# Altium PCB BA-77GHz-Radar_Frontend.PcbDoc (part 2 of 4) (continued)
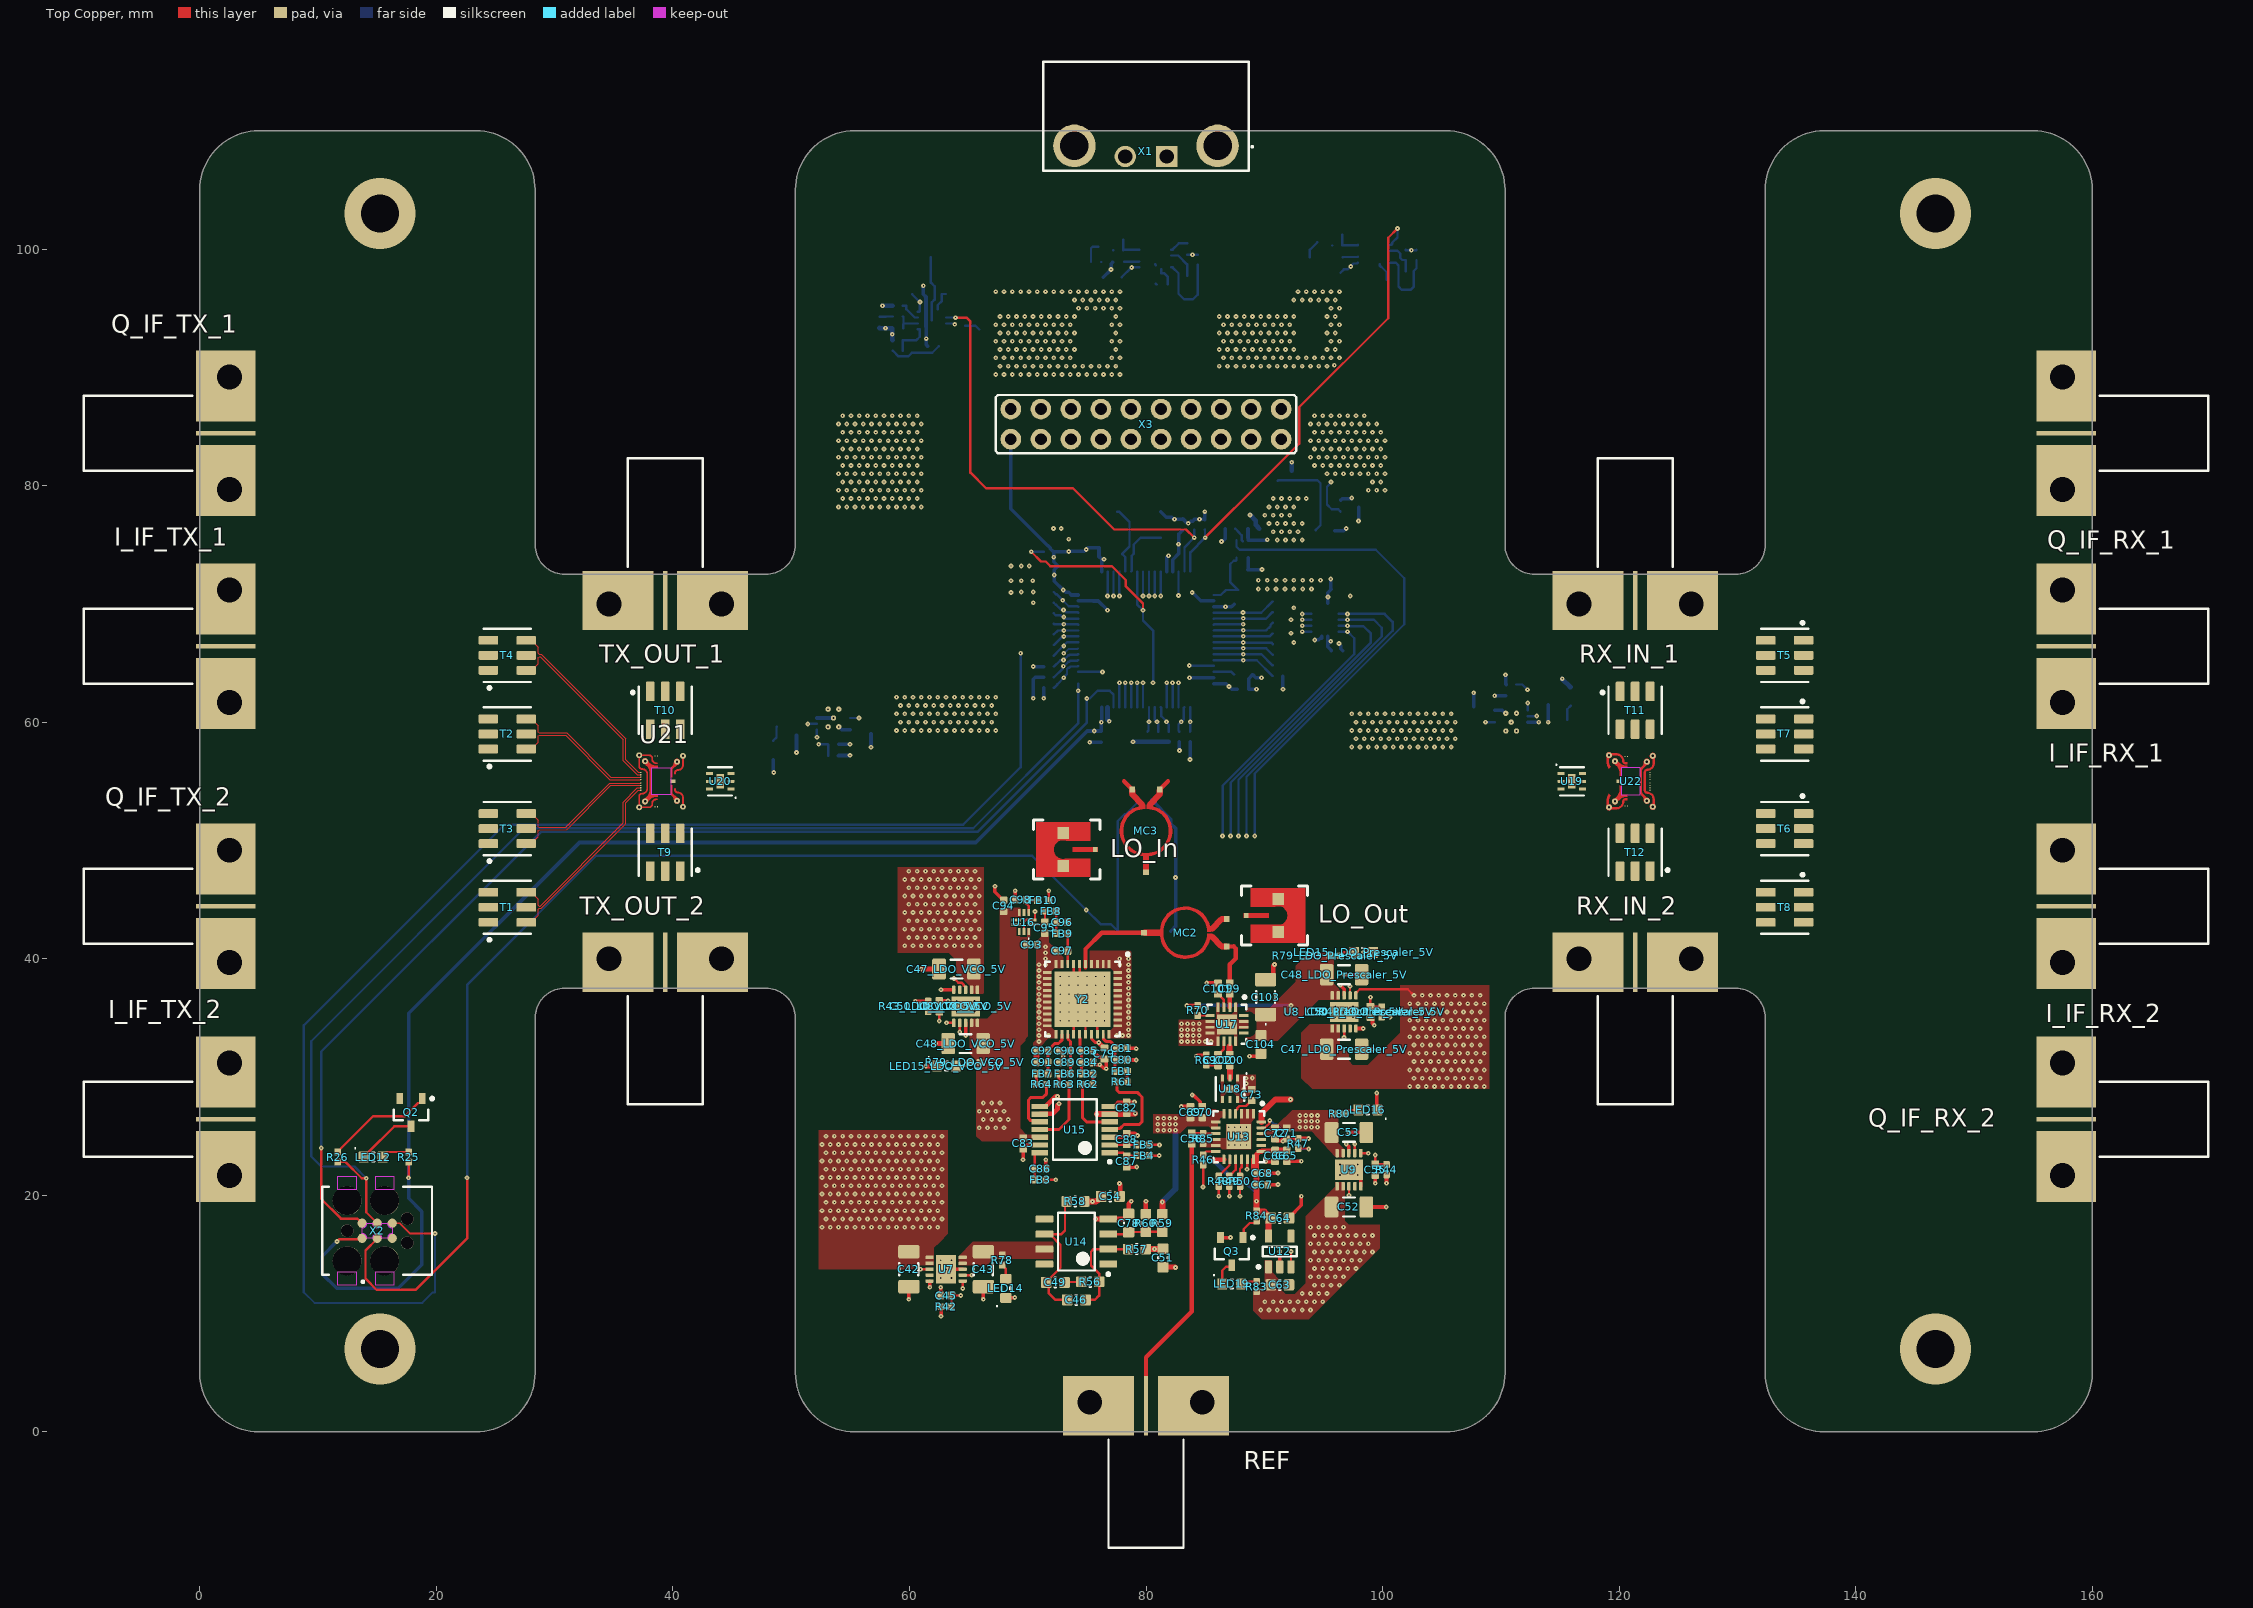
[diagram p0: Top Copper view]
## Part data (continued)

## Via types
v1: diameter 0.4, hole 0.1, Top Copper to Bot Copper, tented both sides, 1477 vias
v2: diameter 6, hole 3.2, Top Copper to Bot Copper, 4 vias

## Nets (pads, with @x,y where several pads share a name; then routed paths per layer and width w, separated by ;. In a path a pad name is that pad's centre, name@x,y a point inside that pad or via, vN(x,y) a via of type N, cw(c..) or ccw(c..) an arc to the next point about the centre after c; other vN are vias at no path point)
+1V8_ADF4169: C11.2 C13.2 C64.2 C65.2 C66.2 C67.2 C68.2 R84.1 U2.14 U3.6 U12.5 U13.13 U13.18 U13.19 | length 101.6
  Top Copper w0.4: v1(85.685,22.992) 86.547,22.992 U13.13@86.585,23.03 ; U13.18@89.085,23.03 89.085,22.155 C68.2@89.335,21.905 ; C68.2@89.335,21.88 89.335,23.405 89.635,23.705 U13.19@89.76,23.705 89.81,23.755 90.86,23.755 C66.2@90.91,23.805
  Top Copper w0.5: C68.2@89.335,21.88 C67.2@89.335,20.88 89.342,20.872 v1(89.342,19.494) 89.342,18.683 R84.1@89.35,18.675 89.35,18.65 89.375,18.625 90.01,18.625 90.535,18.1 C64.2@90.535,18.075 90.36,17.9 U12.5@90.36,16.55 ; C66.2@90.91,23.805 C65.2@91.91,23.805
  Signal Layer 2 w0.3: v1(89.342,19.494) 89.342,23.036 91.46,25.154 91.46,33.121 91.45,33.132 91.45,34.921 90.111,36.26 90.111,50.188 85.975,54.325 85.1,54.325 82.25,57.175 82.25,60.275 86.126,64.151 86.126,69.976 90.25,74.1 v1(90.25,75.422) 91.097,74.575 95.3,74.575 97.275,72.6 v1(97.275,70.675) 95.625,69.025 v1(95.625,66.834)
  Bot Copper w0.3: C13.2@88.625,76.35 88.625,75.575 88.65,75.55 U3.6@88.65,75.365 90.193,75.365 v1(90.25,75.422) ; U2.14@95.375,67.251 95.375,66.551 ; v1(95.625,66.834) 95.625,66.807 95.375,66.557 95.375,66.551 ; C11.2@95.675,66.051 95.675,66.076 95.375,66.376 95.375,66.551
  Bot Copper w0.4: v1(85.685,22.992) 87.494,21.183 88.398,21.183 89.342,20.238 v1(89.342,19.494)
+3V3_ADF4169: C53.2 C69.2 C70.2 C71.2 C72.2 R59.2 R80.1 U9.9 U9.10 U13.6 U13.7 U13.8 U13.22 | length 7.6
  Top Copper w0.5: R59.2@81.385,18.403 v1(81.385,19.428)
  Bot Copper w0.5: v1(81.385,19.428) 82.5,20.543 v1(82.5,25.5)
  other v1: 81,25.5 81.5,25.5 82,25.5 93,25.75 93.5,25.75 94,25.75 94.5,25.75 81,26 81.5,26 82,26 82.5,26 93,26.25 93.5,26.25 94,26.25 94.5,26.25 81,26.5 81.5,26.5 82,26.5 82.5,26.5 93,26.75 93.5,26.75 94,26.75 94.5,26.75
+3V3_RX: C58_LDO_RX_3V3.2 R81_LDO_RX_3V3.1 U10_LDO_RX_3V3.9 U10_LDO_RX_3V3.10 U22.18
+3V3_STM32: C1.2 C2.2 C3.2 C4.2 C5.2 C6.2 C8.2 C9.2 C10.2 C12.2 C62.2 R23.1 R25.2 R66.2 R82.1 U1.1 U1.13 U1.19 U1.32 U1.48 U1.64 U2.1 U2.8 U3.1 U11.5 X2.1 X3.1 | length 145.7
  Top Copper w0.2: v1(11.593,16.087) 11.773,16.267 13.632,16.267 X2.1@13.73,16.365 ; v1(17.655,21.471) R25.2@17.655,22.809
  Bot Copper w0.3: v1(11.593,16.087) 10.365,14.858 10.365,13.349 11.582,12.132 16.782,12.132 18.775,14.125 18.775,18.625 17.655,19.745 v1(17.655,21.471) 17.655,35.38 32.1,49.825 65.598,49.825 75.023,59.25 v1(75.624,59.25) C2.2@76.225,59.25 76.225,60.014 76.25,60.039 U1.48@76.25,61.262 ; X3.1@68.57,83.925 68.57,78.051 71.696,74.925 71.713,74.925 71.9,74.738 71.9,74.675 72.175,74.4 R66.2@72.2,74.4 ; C3.2@72.25,71.925 v1(73,71.175) 73.206,70.969 73.456,70.969 73.674,70.75 U1.64@74.262,70.75 ; C3.2@72.25,71.95 v1(72.25,72.45) 72.25,72.875 72.55,73.175 C6.2@72.55,73.2 72.55,73.225 72.2,73.575 v1(72.2,73.95) R66.2@72.2,74.4 ; C9.2@74.75,74.447 74.738,74.435 73.487,74.435 73.463,74.412 72.212,74.412 R66.2@72.2,74.4 ; C9.2@74.775,74.447 C9.2@74.934,74.605 ; v1(74.95,74.589) C9.2@74.934,74.605 ; C4.2@76,74.75 75.079,74.75 C9.2@74.934,74.605 ; C4.2@76.025,74.75 76.025,74 v1@76.25,73.775 ; U1.1@76.25,72.738 v1@76.25,73.775 ; v1(76.45,73.775) v1@76.25,73.775 ; U1.13@82.25,72.738 82.25,73.724 82.75,74.224 v1@82.75,75.174 ; v1(82.75,75.05) v1@82.75,75.174 ; C8.2@83.1,76.225 83.075,76.225 82.925,76.075 82.925,76.05 82.75,75.875 v1@82.75,75.174 ; U1.32@85.738,63.25 86.775,63.25 87.25,62.775 C1.2@87.725,62.775 ; U1.19@85.738,69.75 87.225,69.75 C5.2@87.45,69.975 ; v1(86.375,75.275) 86.451,75.275 86.687,75.512 R23.1@86.687,76.35 ; U3.1@88.65,73.885 88.65,72.925 C12.2@88.625,72.9 v1(89.8,72.9) ; v1(94.275,66.951) 94.575,66.951 94.725,67.101 94.85,67.101 94.875,67.126 U2.1@94.875,67.251 ; U2.8@95.375,70.051 95.375,70.951 95.65,71.226 C10.2@95.65,71.251 95.638,71.264 95.638,72.087 v1(95.625,72.099)
  other v1: 76.225,59.987 87.013,63.013 86.725,69.75 95.391,70.589 73.475,74.423 91.1,75.4 91.8,75.4 92.5,75.4 93.2,75.4 90.75,76.1 91.45,76.1 92.15,76.1 92.85,76.1 90.4,76.8 91.1,76.8 91.8,76.8 92.5,76.8 93.2,76.8 90.05,77.5 90.75,77.5 91.45,77.5 92.15,77.5 90.4,78.2 91.1,78.2 91.8,78.2 92.5,78.2 90.75,78.9 91.45,78.9 92.15,78.9 92.85,78.9 93.55,78.9
+3V3_TX: C58_LDO_TX_3V3.2 R81_LDO_TX_3V3.1 U10_LDO_TX_3V3.9 U10_LDO_TX_3V3.10 U21.18
+4V_BUCK: C30.2 C31.2 C41.2 C52.2 C57_LDO_RX_3V3.2 C57_LDO_TX_3V3.2 C61.2 C63.2 L2.2 R14.1 R33.2 R83.2 U9.1 U9.2 U9.6 U10_LDO_RX_3V3.1 U10_LDO_RX_3V3.2 U10_LDO_RX_3V3.6 U10_LDO_TX_3V3.1 U10_LDO_TX_3V3.2 U10_LDO_TX_3V3.6 U11.1 U11.3 U12.1 | length 29
  Top Copper w0.2: U9.6@98.159,23.559 v1(98.784,23.559)
  Signal Layer 2 w0.2: v1(52.175,58.725) 52.229,58.725 52.55,59.046 58.592,59.046 58.846,59.3 v1(58.9,59.3) ; v1(98.784,23.559) 98.784,16.966 v1(99.15,16.6) ; v1(105.8,57.9) 111.125,57.9 112.275,59.05 v1(112.275,61.625)
  Bot Copper w0.2: v1(52.175,58.725) U10_LDO_TX_3V3.6@52.175,59.35 ; R14.1@76.2,98.9 R14.1@76.225,98.9 ; R33.2@77.225,99.9 R33.2@77.25,99.9 ; v1(95.65,80.3) 95.65,80.246 95.3,79.896 95.3,78.4 95.7,78 96.25,78 U11.3@96.45,77.8 ; U10_LDO_RX_3V3.6@112.275,61 v1(112.275,61.625)
  other v1: 89.7,10.3 90.4,10.3 91.1,10.3 91.8,10.3 92.5,10.3 93.2,10.3 93.9,10.3 90.05,11 90.75,11 91.45,11 92.15,11 92.85,11 93.55,11 94.25,11 94.95,11 93.2,11.7 93.9,11.7 94.6,11.7 95.3,11.7 94.25,12.4 94.95,12.4 95.65,12.4 96.35,12.4 93.9,13.1 94.6,13.1 95.3,13.1 96,13.1 96.7,13.1 94.25,13.8 94.95,13.8 95.65,13.8 96.35,13.8 97.05,13.8 97.75,13.8 93.9,14.5 94.6,14.5 95.3,14.5 96,14.5 96.7,14.5 97.4,14.5 98.1,14.5 94.25,15.2 94.95,15.2 95.65,15.2 96.35,15.2 97.05,15.2 97.75,15.2 98.45,15.2 99.15,15.2 93.9,15.9 94.6,15.9 95.3,15.9 96,15.9 96.7,15.9 97.4,15.9 98.1,15.9 98.8,15.9 94.25,16.6 94.95,16.6 95.65,16.6 96.35,16.6 97.05,16.6 97.75,16.6 98.45,16.6 93.9,17.3 94.6,17.3 95.3,17.3 96,17.3 96.7,17.3 97.4,57.9 98.1,57.9 98.8,57.9 99.5,57.9 100.2,57.9 100.9,57.9 101.6,57.9 102.3,57.9 103,57.9 103.7,57.9 104.4,57.9 105.1,57.9 97.75,58.6 98.45,58.6 99.15,58.6 99.85,58.6 100.55,58.6 101.25,58.6 101.95,58.6 102.65,58.6 103.35,58.6 104.05,58.6 104.75,58.6 105.45,58.6 106.15,58.6 59.6,59.3 60.3,59.3 61,59.3 61.7,59.3 62.4,59.3 63.1,59.3 63.8,59.3 64.5,59.3 65.2,59.3 65.9,59.3 66.6,59.3 67.3,59.3 97.4,59.3 98.1,59.3 98.8,59.3 99.5,59.3 100.2,59.3 100.9,59.3 101.6,59.3 102.3,59.3 103,59.3 103.7,59.3 104.4,59.3 105.1,59.3 105.8,59.3 59.25,60 59.95,60 60.65,60 61.35,60 62.05,60 62.75,60 63.45,60 64.15,60 64.85,60 65.55,60 66.25,60 66.95,60 97.75,60 98.45,60 99.15,60 99.85,60 100.55,60 101.25,60 101.95,60 102.65,60 103.35,60 104.05,60 104.75,60 105.45,60 106.15,60 58.9,60.7 59.6,60.7 60.3,60.7 61,60.7 61.7,60.7 62.4,60.7 63.1,60.7 63.8,60.7 64.5,60.7 65.2,60.7 65.9,60.7 66.6,60.7 67.3,60.7 97.4,60.7 98.1,60.7 98.8,60.7 99.5,60.7 100.2,60.7 100.9,60.7 101.6,60.7 102.3,60.7 103,60.7 103.7,60.7 104.4,60.7 105.1,60.7 105.8,60.7 59.25,61.4 59.95,61.4 60.65,61.4 61.35,61.4 62.05,61.4 62.75,61.4 63.45,61.4 64.15,61.4 64.85,61.4 65.55,61.4 66.25,61.4 66.95,61.4 58.9,62.1 59.6,62.1 60.3,62.1 61,62.1 61.7,62.1 62.4,62.1 63.1,62.1 63.8,62.1 64.5,62.1 65.2,62.1 65.9,62.1 66.6,62.1 67.3,62.1 98.8,79.6 99.5,79.6 100.2,79.6 99.15,80.3 99.85,80.3 95.3,81 96,81 96.7,81 97.4,81 98.1,81 98.8,81 99.5,81 100.2,81 94.25,81.7 94.95,81.7 95.65,81.7 96.35,81.7 97.05,81.7 97.75,81.7 98.45,81.7 99.15,81.7 99.85,81.7 93.9,82.4 94.6,82.4 95.3,82.4 96,82.4 96.7,82.4 97.4,82.4 98.1,82.4 98.8,82.4 99.5,82.4 100.2,82.4 94.25,83.1 94.95,83.1 95.65,83.1 96.35,83.1 97.05,83.1 97.75,83.1 98.45,83.1 99.15,83.1 99.85,83.1 93.9,83.8 94.6,83.8 95.3,83.8 96,83.8 96.7,83.8 97.4,83.8 98.1,83.8 98.8,83.8 99.5,83.8 100.2,83.8 94.25,84.5 94.95,84.5 95.65,84.5 96.35,84.5 97.05,84.5 97.75,84.5 98.45,84.5 99.15,84.5 99.85,84.5 93.9,85.2 94.6,85.2 95.3,85.2 96,85.2 96.7,85.2 97.4,85.2 98.1,85.2 98.8,85.2 99.5,85.2 94.25,85.9 94.95,85.9 95.65,85.9 96.35,85.9 97.05,85.9 97.75,85.9 98.45,85.9 67.3,89.4 68,89.4 68.7,89.4 69.4,89.4 70.1,89.4 70.8,89.4 71.5,89.4 72.2,89.4 72.9,89.4 73.6,89.4 74.3,89.4 75,89.4 75.7,89.4 76.4,89.4 77.1,89.4 77.8,89.4 67.65,90.1 68.35,90.1 69.05,90.1 69.75,90.1 70.45,90.1 71.15,90.1 71.85,90.1 72.55,90.1 73.25,90.1 73.95,90.1 74.65,90.1 75.35,90.1 76.05,90.1 76.75,90.1 77.45,90.1 67.3,90.8 68,90.8 68.7,90.8 69.4,90.8 70.1,90.8 70.8,90.8 71.5,90.8 72.2,90.8 72.9,90.8 73.6,90.8 77.1,90.8 77.8,90.8 67.65,91.5 68.35,91.5 69.05,91.5 69.75,91.5 70.45,91.5 71.15,91.5 71.85,91.5 72.55,91.5 73.25,91.5 73.95,91.5 77.45,91.5 67.3,92.2 68,92.2 68.7,92.2 69.4,92.2 70.1,92.2 70.8,92.2 71.5,92.2 72.2,92.2 72.9,92.2 73.6,92.2 77.1,92.2 77.8,92.2 67.65,92.9 68.35,92.9 69.05,92.9 69.75,92.9 70.45,92.9 71.15,92.9 71.85,92.9 72.55,92.9 73.25,92.9 73.95,92.9 77.45,92.9 67.3,93.6 68,93.6 68.7,93.6 69.4,93.6 70.1,93.6 70.8,93.6 71.5,93.6 72.2,93.6 72.9,93.6 73.6,93.6 77.1,93.6 77.8,93.6 67.65,94.3 68.35,94.3 69.05,94.3 69.75,94.3 70.45,94.3 71.15,94.3 71.85,94.3 72.55,94.3 73.25,94.3 73.95,94.3 77.45,94.3 74.3,95 75,95 75.7,95 76.4,95 77.1,95 77.8,95 73.95,95.7 74.65,95.7 75.35,95.7 76.05,95.7 76.75,95.7 77.45,95.7 67.3,96.4 68,96.4 68.7,96.4 69.4,96.4 70.1,96.4 70.8,96.4 71.5,96.4 72.2,96.4 72.9,96.4 73.6,96.4 74.3,96.4 75,96.4 75.7,96.4 76.4,96.4 77.1,96.4 77.8,96.4
+5V_Prescaler: C48_LDO_Prescaler_5V.2 C103.1 C104.2 R70.1 R79_LDO_Prescaler_5V.1 U8_LDO_Prescaler_5V.9 U8_LDO_Prescaler_5V.10 U17.13 U17.16 | length 9.7
  Top Copper w0.3: v1(83.447,36.053) R70.1@84.36,36.053
  Bot Copper w0.3: v1(83.447,36.053) v1(83.447,36.053) 92.248,36.052 v1(92.25,36.05)
+5V_VCO: C48_LDO_VCO_5V.2 C82.2 C83.2 C93.2 C94.2 R79_LDO_VCO_5V.1 U8_LDO_VCO_5V.9 U8_LDO_VCO_5V.10 U15.6 U15.12 U16.1 U16.6 | length 3.3
  Top Copper w0.5: v1(75.835,26.856) U15.6@76.935,26.856 76.96,26.881 77.801,26.881 78.31,26.881 C82.2@78.36,26.931 78.385,26.906 v1(79.085,26.906)
  other v1: 65.9,25.7 66.6,25.7 67.3,25.7 68,25.7 66.25,26.4 66.95,26.4 67.65,26.4 68.35,26.4 65.9,27.1 66.6,27.1 67.3,27.1 68,27.1 66.25,27.8 66.95,27.8 67.65,27.8
+6V_BUCK: C37.2 C38.2 C44.2 C47_LDO_Prescaler_5V.2 C47_LDO_VCO_5V.2 L3.2 R16.1 R38.2 U8_LDO_Prescaler_5V.1 U8_LDO_Prescaler_5V.2 U8_LDO_Prescaler_5V.6 U8_LDO_VCO_5V.1 U8_LDO_VCO_5V.2 U8_LDO_VCO_5V.6 | length 6.1
  Top Copper w0.2: v1(63.125,34.575) U8_LDO_VCO_5V.6@63.75,34.575 ; U8_LDO_Prescaler_5V.6@97.75,36.9 97.75,37.1 98.075,37.425 102.125,37.425 v1(102.65,36.9)
  Bot Copper w0.2: R38.2@95.725,100.3 R38.2@95.75,100.3
  other v1: 102.3,29.2 103,29.2 103.7,29.2 104.4,29.2 105.1,29.2 105.8,29.2 106.5,29.2 107.2,29.2 107.9,29.2 108.6,29.2 102.65,29.9 103.35,29.9 104.05,29.9 104.75,29.9 105.45,29.9 106.15,29.9 106.85,29.9 107.55,29.9 108.25,29.9 102.3,30.6 103,30.6 103.7,30.6 104.4,30.6 105.1,30.6 105.8,30.6 106.5,30.6 107.2,30.6 107.9,30.6 108.6,30.6 102.65,31.3 103.35,31.3 104.05,31.3 104.75,31.3 105.45,31.3 106.15,31.3 106.85,31.3 107.55,31.3 108.25,31.3 102.3,32 103,32 103.7,32 104.4,32 105.1,32 105.8,32 106.5,32 107.2,32 107.9,32 108.6,32 102.65,32.7 103.35,32.7 104.05,32.7 104.75,32.7 105.45,32.7 106.15,32.7 106.85,32.7 107.55,32.7 108.25,32.7 102.3,33.4 103,33.4 103.7,33.4 104.4,33.4 105.1,33.4 105.8,33.4 106.5,33.4 107.2,33.4 107.9,33.4 108.6,33.4 102.65,34.1 103.35,34.1 104.05,34.1 104.75,34.1 105.45,34.1 106.15,34.1 106.85,34.1 107.55,34.1 108.25,34.1 102.3,34.8 103,34.8 103.7,34.8 104.4,34.8 105.1,34.8 105.8,34.8 106.5,34.8 107.2,34.8 107.9,34.8 108.6,34.8 102.65,35.5 103.35,35.5 104.05,35.5 104.75,35.5 105.45,35.5 106.15,35.5 106.85,35.5 107.55,35.5 108.25,35.5 102.3,36.2 103,36.2 103.7,36.2 104.4,36.2 105.1,36.2 105.8,36.2 106.5,36.2 107.2,36.2 107.9,36.2 108.6,36.2 103.35,36.9 104.05,36.9 104.75,36.9 105.45,36.9 106.15,36.9 106.85,36.9 107.55,36.9 108.25,36.9 59.6,41.1 60.3,41.1 61,41.1 61.7,41.1 62.4,41.1 63.1,41.1 63.8,41.1 64.5,41.1 65.2,41.1 65.9,41.1 59.95,41.8 60.65,41.8 61.35,41.8 62.05,41.8 62.75,41.8 63.45,41.8 64.15,41.8 64.85,41.8 65.55,41.8 59.6,42.5 60.3,42.5 61,42.5 61.7,42.5 62.4,42.5 63.1,42.5 63.8,42.5 64.5,42.5 65.2,42.5 65.9,42.5 59.95,43.2 60.65,43.2 61.35,43.2 62.05,43.2 62.75,43.2 63.45,43.2 64.15,43.2 64.85,43.2 65.55,43.2 59.6,43.9 60.3,43.9 61,43.9 61.7,43.9 62.4,43.9 63.1,43.9 63.8,43.9 64.5,43.9 65.2,43.9 65.9,43.9 59.95,44.6 60.65,44.6 61.35,44.6 62.05,44.6 62.75,44.6 63.45,44.6 64.15,44.6 64.85,44.6 65.55,44.6 59.6,45.3 60.3,45.3 61,45.3 61.7,45.3 62.4,45.3 63.1,45.3 63.8,45.3 64.5,45.3 65.2,45.3 65.9,45.3 59.95,46 60.65,46 61.35,46 62.05,46 62.75,46 63.45,46 64.15,46 64.85,46 65.55,46 59.6,46.7 60.3,46.7 61,46.7 61.7,46.7 62.4,46.7 63.1,46.7 63.8,46.7 64.5,46.7 65.2,46.7 65.9,46.7 59.95,47.4 60.65,47.4 61.35,47.4 62.05,47.4 62.75,47.4 63.45,47.4 64.15,47.4 64.85,47.4 65.55,47.4 86.2,90.1 86.9,90.1 87.6,90.1 88.3,90.1 89,90.1 89.7,90.1 90.4,90.1 91.1,90.1 91.8,90.1 92.5,90.1 93.2,90.1 93.9,90.1 94.6,90.1 95.3,90.1 95.927,90.174 86.55,90.8 87.25,90.8 87.95,90.8 88.65,90.8 89.35,90.8 90.05,90.8 90.75,90.8 91.45,90.8 92.15,90.8 92.85,90.8 93.55,90.8 94.25,90.8 94.95,90.8 95.65,90.8 96.35,90.8 86.2,91.5 86.9,91.5 87.6,91.5 88.3,91.5 89,91.5 89.7,91.5 90.4,91.5 91.1,91.5 91.8,91.5 92.5,91.5 95.3,91.5 96,91.5 86.55,92.2 87.25,92.2 87.95,92.2 88.65,92.2 89.35,92.2 90.05,92.2 90.75,92.2 91.45,92.2 92.15,92.2 95.65,92.2 96.35,92.2 86.2,92.9 86.9,92.9 87.6,92.9 88.3,92.9 89,92.9 89.7,92.9 90.4,92.9 91.1,92.9 91.8,92.9 92.5,92.9 95.3,92.9 96,92.9 86.55,93.6 87.25,93.6 87.95,93.6 88.65,93.6 89.35,93.6 90.05,93.6 90.75,93.6 91.45,93.6 92.15,93.6 95.65,93.6 96.35,93.6 86.2,94.3 86.9,94.3 87.6,94.3 88.3,94.3 89,94.3 89.7,94.3 90.4,94.3 91.1,94.3 91.8,94.3 92.5,94.3 95.3,94.3 96,94.3 95.65,95 96.35,95 92.5,95.7 93.2,95.7 93.9,95.7 94.6,95.7 95.3,95.7 96,95.7 92.85,96.4 93.55,96.4 94.25,96.4 94.95,96.4 95.65,96.4 96.35,96.4
+12V: C17.2 C18.2 C19.2 C27.2 C28.2 C34.2 C35.2 L1.2 R31.1 U4.1 U5.2 U6.2 X1.1
+15V_OPV: C43.2 R78.1 U7.9 U7.10 U14.7
+16V_BOOST: C20.2 C21.2 C22.2 C42.2 R12.1 R27.2 U4.4 U4.5 U7.1 U7.2 U7.6 | length 5.1
  Top Copper w0.2: v1(64.5,12.123) U7.6@64.5,12.748
  Bot Copper w0.2: R27.2@58.575,91.4 58.6,91.4 59.075,90.925 59.906,90.925 60.206,91.225 61.925,91.225 62.475,91.775 C20.2@62.475,91.8
  other v1: 52.6,17.3 53.3,17.3 54,17.3 54.7,17.3 55.4,17.3 56.1,17.3 56.8,17.3 57.5,17.3 58.2,17.3 58.9,17.3 59.6,17.3 60.3,17.3 61,17.3 61.7,17.3 62.4,17.3 52.95,18 53.65,18 54.35,18 55.05,18 55.75,18 56.45,18 57.15,18 57.85,18 58.55,18 59.25,18 59.95,18 60.65,18 61.35,18 62.05,18 62.75,18 52.6,18.7 53.3,18.7 54,18.7 54.7,18.7 55.4,18.7 56.1,18.7 56.8,18.7 57.5,18.7 58.2,18.7 58.9,18.7 59.6,18.7 60.3,18.7 61,18.7 61.7,18.7 62.4,18.7 52.95,19.4 53.65,19.4 54.35,19.4 55.05,19.4 55.75,19.4 56.45,19.4 57.15,19.4 57.85,19.4 58.55,19.4 59.25,19.4 59.95,19.4 60.65,19.4 61.35,19.4 62.05,19.4 62.75,19.4 52.6,20.1 53.3,20.1 54,20.1 54.7,20.1 55.4,20.1 56.1,20.1 56.8,20.1 57.5,20.1 58.2,20.1 58.9,20.1 59.6,20.1 60.3,20.1 61,20.1 61.7,20.1 62.4,20.1 52.95,20.8 53.65,20.8 54.35,20.8 55.05,20.8 55.75,20.8 56.45,20.8 57.15,20.8 57.85,20.8 58.55,20.8 59.25,20.8 59.95,20.8 60.65,20.8 61.35,20.8 62.05,20.8 62.75,20.8 52.6,21.5 53.3,21.5 54,21.5 54.7,21.5 55.4,21.5 56.1,21.5 56.8,21.5 57.5,21.5 58.2,21.5 58.9,21.5 59.6,21.5 60.3,21.5 61,21.5 61.7,21.5 62.4,21.5 52.95,22.2 53.65,22.2 54.35,22.2 55.05,22.2 55.75,22.2 56.45,22.2 57.15,22.2 57.85,22.2 58.55,22.2 59.25,22.2 59.95,22.2 60.65,22.2 61.35,22.2 62.05,22.2 62.75,22.2 52.6,22.9 53.3,22.9 54,22.9 54.7,22.9 55.4,22.9 56.1,22.9 56.8,22.9 57.5,22.9 58.2,22.9 58.9,22.9 59.6,22.9 60.3,22.9 61,22.9 61.7,22.9 62.4,22.9 52.95,23.6 53.65,23.6 54.35,23.6 55.05,23.6 55.75,23.6 56.45,23.6 57.15,23.6 57.85,23.6 58.55,23.6 59.25,23.6 59.95,23.6 60.65,23.6 61.35,23.6 62.05,23.6 62.75,23.6 52.6,24.3 53.3,24.3 54,24.3 54.7,24.3 55.4,24.3 56.1,24.3 56.8,24.3 57.5,24.3 58.2,24.3 58.9,24.3 59.6,24.3 60.3,24.3 61,24.3 61.7,24.3 62.4,24.3 52.95,25 53.65,25 54.35,25 55.05,25 55.75,25 56.45,25 57.15,25 57.85,25 58.55,25 59.25,25 59.95,25 60.65,25 61.35,25 62.05,25 62.75,25 54,78.2 54.7,78.2 55.4,78.2 56.1,78.2 56.8,78.2 57.5,78.2 58.2,78.2 58.9,78.2 59.6,78.2 60.3,78.2 61,78.2 54.35,78.9 55.05,78.9 55.75,78.9 56.45,78.9 57.15,78.9 57.85,78.9 58.55,78.9 59.25,78.9 59.95,78.9 60.65,78.9 54,79.6 54.7,79.6 55.4,79.6 56.1,79.6 56.8,79.6 57.5,79.6 58.2,79.6 58.9,79.6 59.6,79.6 60.3,79.6 61,79.6 54.35,80.3 55.05,80.3 55.75,80.3 56.45,80.3 57.15,80.3 57.85,80.3 58.55,80.3 59.25,80.3 59.95,80.3 60.65,80.3 54,81 54.7,81 55.4,81 56.1,81 56.8,81 57.5,81 58.2,81 58.9,81 59.6,81 60.3,81 61,81 54.35,81.7 55.05,81.7 55.75,81.7 56.45,81.7 57.15,81.7 57.85,81.7 58.55,81.7 59.25,81.7 59.95,81.7 60.65,81.7 54,82.4 54.7,82.4 55.4,82.4 56.1,82.4 56.8,82.4 57.5,82.4 58.2,82.4 58.9,82.4 59.6,82.4 60.3,82.4 61,82.4 54.35,83.1 55.05,83.1 55.75,83.1 56.45,83.1 57.15,83.1 57.85,83.1 58.55,83.1 59.25,83.1 59.95,83.1 60.65,83.1 54,83.8 54.7,83.8 55.4,83.8 56.1,83.8 56.8,83.8 57.5,83.8 58.2,83.8 58.9,83.8 59.6,83.8 60.3,83.8 61,83.8 54.35,84.5 55.05,84.5 55.75,84.5 56.45,84.5 57.15,84.5 57.85,84.5 58.55,84.5 59.25,84.5 59.95,84.5 60.65,84.5 54,85.2 54.7,85.2 55.4,85.2 56.1,85.2 56.8,85.2 57.5,85.2 58.2,85.2 58.9,85.2 59.6,85.2 60.3,85.2 61,85.2 54.35,85.9 55.05,85.9 55.75,85.9 56.45,85.9 57.15,85.9 57.85,85.9 58.55,85.9 59.25,85.9 59.95,85.9 60.65,85.9
+IN: C78.2 R59.1 R60.2 U14.3 | length 4.7
  Top Copper w0.2: U14.3@76.81,16.718 78.375,16.718 C78.2@78.535,16.878 78.547,16.891 79.972,16.891 R60.2@79.985,16.903 R59.1@81.385,16.903
-IN: C46.2 R56.2 R57.1 U14.2 | length 8.5
  Top Copper w0.2: C46.2@74.885,11.153 75.673,11.153 76.035,11.516 R56.2@76.035,12.678 76.035,13.378 75.348,14.065 75.348,15.223 75.573,15.448 U14.2@76.81,15.448 R57.1@78.485,15.448
ADF4160_RF_IN_B: C73.2 U13.4 | length 2
  Top Copper w0.2: U13.4@87.585,26.88 87.585,27.155 87.71,27.28 87.71,27.365 87.895,27.55 88.455,27.55 88.91,28.005 C73.2@88.935,28.005
ADF4169_CLK: R48.2 U13.14 | length 1.8
  Top Copper w0.2: R48.2@86.15,21.608 86.15,21.633 87.06,22.543 87.06,23.005 U13.14@87.085,23.03
ADF4169_CLK_1V8: R48.1 U2.13 | length 55.9
  Top Copper w0.2: v1(86.15,19.925) R48.1@86.15,20.758
  Signal Layer 2 w0.2: v1(86.15,19.925) 86.15,20.307 84.25,22.207 84.25,27.894 86.15,29.794 86.15,50.049 v1(86.475,50.374)
  Bot Copper w0.2: v1(86.475,50.374) 86.475,54.625 97.6,65.75 97.6,67.092 v1(97.04,67.651) U2.13@96.275,67.651
ADF4169_CLK_3V3: R2.2 U1.21 U2.2 | length 19.6
  Signal Layer 2 w0.2: v1(88.225,68.775) 87.336,68.775 87.111,69 87.111,69.5 87.175,69.564 87.175,69.81 87.99,70.625 94.302,70.625 94.551,70.377 94.551,68.275 93.927,67.651 v1(93.21,67.651)
  Bot Copper w0.2: U1.21@85.738,68.75 85.751,68.763 88.212,68.763 v1(88.225,68.775) 88.25,68.75 90.15,68.75 90.7,69.3 R2.2@90.725,69.3 ; v1(93.21,67.651) U2.2@93.975,67.651
ADF4169_CTRL.ADF4169_DATA: R49.1 U2.12 | length 58.2
  Top Copper w0.2: v1(87.05,19.925) R49.1@87.05,20.758
  Signal Layer 2 w0.2: v1(87.05,19.925) 87.024,19.951 87.024,20.206 84.825,22.404 84.825,27.325 87.15,29.65 v1(87.15,50.374)
  Bot Copper w0.2: v1(87.15,50.374) 87.15,54.876 99.015,66.741 99.015,67.486 98.388,68.113 97.079,68.113 v1(97.04,68.151) U2.12@96.275,68.151
ADF4169_CTRL.ADF4169_LE: R50.1 U2.11 | length 59.8
  Top Copper w0.2: v1(87.948,19.925) R50.1@87.948,20.758
  Signal Layer 2 w0.2: v1(87.825,50.374) 87.825,29.569 85.5,27.244 85.5,24.522 87.825,22.197 87.825,20.102 87.948,19.979 v1(87.948,19.925)
  Bot Copper w0.2: v1(87.825,50.374) 87.825,55.127 99.937,67.239 99.937,67.984 99.27,68.651 v1(97.04,68.651) U2.11@96.275,68.651
ADF4169_CTRL.ADF4169_MUXOUT: U2.10 U13.17 | length 58.4
  Top Copper w0.2: v1(88.542,22.197) 88.564,22.218 88.564,23.008 U13.17@88.585,23.03
  Signal Layer 2 w0.2: v1(88.5,50.374) 88.5,33.75 90.01,32.24 90.01,24.76 88.5,23.25 88.5,22.797 88.542,22.754 v1(88.542,22.197)
  Bot Copper w0.2: v1(88.5,50.374) 88.5,55.377 100.85,67.727 100.85,68.476 100.175,69.151 v1(97.04,69.151) U2.10@96.275,69.151
ADF4169_CTRL.ADF4169_TXDATA: R46.1 U3.4 | length 82.9
  Top Copper w0.2: v1(84.825,20.7) R46.1@84.825,22.564
  Signal Layer 2 w0.2: v1(84.825,20.7) 84.825,19.15 85.3,18.675 87.525,18.675 88.992,20.142 88.992,23.181 90.91,25.099 90.91,33.174 89.2,34.884 v1(89.2,50.374)
  Bot Copper w0.2: U3.4@87.65,75.365 87.65,74.825 87.9,74.575 99.425,74.575 101.83,72.17 101.83,68.283 89.2,55.653 v1@89.2,50.4
ADF4169_DATA: R49.2 U13.15 | length 1.6
  Top Copper w0.2: R49.2@87.05,21.608 87.05,21.633 87.585,22.168 U13.15@87.585,23.03
ADF4169_DATA_3V3: R1.2 U1.23 U2.3 | length 11.3
  Signal Layer 2 w0.2: v1(88.225,67.775) 90.64,67.775 91.017,68.151 v1(93.21,68.151)
  Bot Copper w0.2: U1.23@85.738,67.75 85.751,67.763 88.212,67.763 v1(88.225,67.775) 88.25,67.75 90.157,67.75 90.382,67.975 90.408,67.975 90.525,68.092 90.525,68.225 90.7,68.4 R1.2@90.725,68.4 ; v1(93.21,68.151) U2.3@93.975,68.151
ADF4169_FB: U13.5 U18.5
ADF4169_LE: R50.2 U13.16 | length 1.5
  Top Copper w0.2: R50.2@87.948,21.608 87.948,22.243 88.085,22.38 U13.16@88.085,23.03
ADF4169_LE_3V3: R3.2 U1.20 U2.4 | length 13.6
  Signal Layer 2 w0.2: v1(88.199,69.274) 89.915,69.274 90.84,70.2 93.063,70.2 93.833,69.429 93.833,69.098 93.487,68.751 93.475,68.751 93.413,68.69 93.248,68.69 v1(93.21,68.651)
  Bot Copper w0.2: U1.20@85.738,69.25 85.75,69.262 88.187,69.262 v1(88.199,69.274) 88.223,69.25 89.75,69.25 90.7,70.2 R3.2@90.725,70.2 ; v1(93.21,68.651) U2.4@93.975,68.651
ADF4169_MUXOUT_3V3: U1.22 U2.5 | length 8.6
  Signal Layer 2 w0.2: v1(88.212,68.275) 90.111,68.275 90.988,69.151 v1(93.21,69.151)
  Bot Copper w0.2: U1.22@85.738,68.25 85.75,68.262 88.2,68.262 v1(88.212,68.275) ; v1(93.21,69.151) U2.5@93.975,69.151
ADF4169_TXDATA: R46.2 U13.12 | length 1.2
  Top Copper w0.2: R46.2@84.825,23.414 84.825,23.439 85.09,23.705 U13.12@85.91,23.705
ADF4169_TXDATA_3V3: R4.2 U1.17 U3.3 | length 5.6
  Bot Copper w0.2: U1.17@85.738,70.75 86.326,70.75 86.751,71.175 R4.2@87.8,71.175 87.775,71.175 87.112,71.838 87.112,73.348 87.415,73.65 87.6,73.65 87.65,73.7 U3.3@87.65,73.885
ADG854_D1: C95.2 FB8.1 U16.2 | length 2.1
  Top Copper w0.2: U16.2@70.335,42.891 71.216,42.891 71.425,43.1 C95.2@71.45,43.1 71.463,43.113 71.463,44.012 FB8.1@71.475,44.025
ADG854_IN1: C98.2 FB10.2 U16.4 | length 2.1
  Top Copper w0.2: U16.4@70.085,43.891 70.085,44.453 69.885,44.653 C98.2@69.885,44.978 69.91,44.953 70.81,44.953 FB10.2@70.835,44.928
ADG1604_A0: C87.2 FB4.2 U15.1 | length 2.5
  Top Copper w0.2: U15.1@76.935,23.606 78.06,23.606 78.335,23.331 C87.2@78.36,23.331 78.372,23.343 79.322,23.343 FB4.2@79.335,23.356
ADG1604_A1: C86.2 FB3.2 U15.14 | length 2.7
  Top Copper w0.2: FB3.2@70.585,21.303 C86.2@70.585,22.253 70.585,23.481 70.71,23.606 U15.14@71.035,23.606
ADG1604_EN: C88.2 FB5.2 U15.2 | length 2.4
  Top Copper w0.2: U15.2@76.935,24.256 76.947,24.268 78.347,24.268 C88.2@78.36,24.281 78.372,24.268 79.322,24.268 FB5.2@79.335,24.256
ADG1604_S1: R61.1 U15.4 | length 8.1
  Top Copper w0.25: U15.4@76.935,25.556 77.035,25.656 77.815,25.656 78.14,25.981 79.435,25.981 79.66,26.206 79.66,28.304 79.264,28.7 77.71,28.7 77.56,28.85 R61.1@77.56,29.581
ADG1604_S2: R62.1 U15.5 | length 5.3
  Top Copper w0.25: R62.1@74.65,29.375 74.65,26.531 74.975,26.206 U15.5@76.935,26.206
ADG1604_S3: R63.1 U15.11 | length 5.8
  Top Copper w0.25: U15.11@71.035,25.556 72.135,25.556 72.65,25.556 73.5,26.406 R63.1@73.5,29.375
ADG1604_S4: R64.1 U15.10 | length 5.2
  Top Copper w0.25: U15.10@71.035,26.206 70.935,26.306 70.256,26.306 70.06,26.502 70.06,28.065 70.256,28.261 71.271,28.261 71.6,28.59 R64.1@71.6,29.375
AP62500_EN: R19.2 U1.16 U6.3 | length 41.1
  Top Copper w0.2: v1(85.001,75.6) 90.039,80.638 92.954,83.554 92.954,86.635 100.475,94.156 100.475,100.949 v1(101.264,101.737)
  Signal Layer 2 w0.2: v1(101.264,101.737) 102.388,101.737 103.325,100.8
  Bot Copper w0.2: U1.16@83.75,72.738 83.75,74.35 v1(85.001,75.6) 84.988,75.613 84.988,76.262 R19.2@84.975,76.275 ; U6.3@100.625,100.35 100.75,100.35 100.825,100.425 100.825,100.55 101.264,100.989 v1(101.264,101.737)
CP: C51.1 R57.2 U13.24 | length 26.5
  Top Copper w0.5: R57.2@79.985,15.448 80,15.463 v1(80.71,15.463) 81.42,15.463 C51.1@81.435,15.478 ; U13.24@89.76,26.205 89.76,26.925 90.935,28.1 v1(92.213,28.1)
  Signal Layer 2 w0.5: v1(80.71,15.463) 87.463,15.463 92.213,20.213 v1(92.213,28.1)
EN_1_RX: R65.2 U1.24 U22.7 | length 42.9
  Signal Layer 2 w0.2: v1(88.225,67.269) 91.106,67.269 92.175,66.2 114.775,66.2 120.825,60.15 120.825,57.875
  Bot Copper w0.2: U1.24@85.738,67.25 88.225,67.25 90.45,67.25 90.7,67.5 R65.2@90.725,67.5
EN_1_TX: R52.2 U1.62 U21.9 | length 41.8
  Signal Layer 2 w0.2: 39.075,58.7 39.075,59.677 40.673,61.275 43.369,61.275 48.9,61.275 57.938,70.313 v1(72.958,70.313)
  Bot Copper w0.2: R52.2@72.2,71 72.375,70.825 72.446,70.825 73.471,69.8 74.212,69.8 U1.62@74.262,69.75
  other v1: 70.475,70.1
EN_2_RX: R54.2 U1.27 U22.15 | length 51.4
  Signal Layer 2 w0.2: v1(88.225,65.74) 90.41,65.74 90.85,65.3 111.1,65.3 115.575,60.825 115.575,52.3 117.5,50.375 120.6,50.375 121.1,50.875 121.1,52.475
  Bot Copper w0.2: U1.27@85.738,65.75 85.739,65.749 v1@88.225,65.749 ; v1(88.225,65.74) 89.76,65.74 90.7,64.8 R54.2@90.725,64.8
EN_2_TX: R22.2 U1.58 U21.17 | length 44.8
  Signal Layer 2 w0.2: 38.38,52.4 38.38,51.151 38.831,50.7 41.5,50.7 ; 43.5,50.7 45.2,52.4 45.2,54.85 58.1,67.75 v1(73.054,67.75)
  Bot Copper w0.2: R22.2@72.2,67.426 72.225,67.426 72.549,67.75 v1(73.054,67.75) U1.58@74.262,67.75
EN_LO_20GHz_1_RX: R55.2 U1.25 U22.6 | length 41.8
  Signal Layer 2 w0.2: v1(88.225,66.74) 90.86,66.74 91.7,65.9 114.15,65.9 120.15,59.9 120.15,58.025 120.2,57.975
  Bot Copper w0.2: U1.25@85.738,66.75 85.739,66.749 v1@88.225,66.749 ; v1(88.225,66.74) 88.263,66.702 90.618,66.702 R55.2@90.725,66.594
EN_LO_20GHz_1_TX: R51.2 U1.61 U21.8 | length 40.6
  Signal Layer 2 w0.2: 39.5,58.7 39.5,59.075 40.925,60.5 44.275,60.5 48.9,60.5 57.876,69.476 v1(73.021,69.476)
  Bot Copper w0.2: R51.2@72.2,70.101 72.375,69.926 72.4,69.926 72.812,69.514 72.983,69.514 v1(73.021,69.476) 73.075,69.476 73.251,69.3 74.212,69.3 U1.61@74.262,69.25
EN_LO_20GHz_2_RX: R53.2 U1.26 U22.14 | length 49.5
  Signal Layer 2 w0.2: v1(88.225,66.24) 90.76,66.24 91.4,65.6 112.5,65.6 116.6,61.5 116.6,52.55 117.5,51.65 120.325,51.65 120.6,51.925 120.6,52.4
  Bot Copper w0.2: v1(88.225,66.24) 90.16,66.24 90.7,65.7 R53.2@90.725,65.7 ; v1@88.225,66.249 U1.26@85.739,66.249 ; U1.26@85.738,66.25 U1.26@85.739,66.249
EN_LO_20GHz_2_TX: R21.2 U1.59 U21.16 | length 43.3
  Signal Layer 2 w0.2: 38.831,52.17 38.831,51.719 39.275,51.275 40.875,51.275 42.45,52.85 42.45,55.15 ; 44.45,55.15 57.575,68.275 v1(73.054,68.275)
  Bot Copper w0.2: R21.2@72.2,68.325 R21.2@72.225,68.3 ; R21.2@72.225,68.275 v1(73.054,68.275) 74.237,68.275 U1.59@74.262,68.25